# Altium PCB Inverter2beta.PcbDoc (part 4 of 5)
Units mm, origin at the board's own origin, x right, y up, seen from the top; angles counter-clockwise.
Board outline 174.4 x 124.43 mm, 4 copper layers (Top Layer, TOP_RTN, BOTT_RTN, Bottom Layer), stack 1.506 mm thick; 535 components, 311 nets, 1510 pads, 425 vias.
Unrouted connection lines stored in the file: 248.
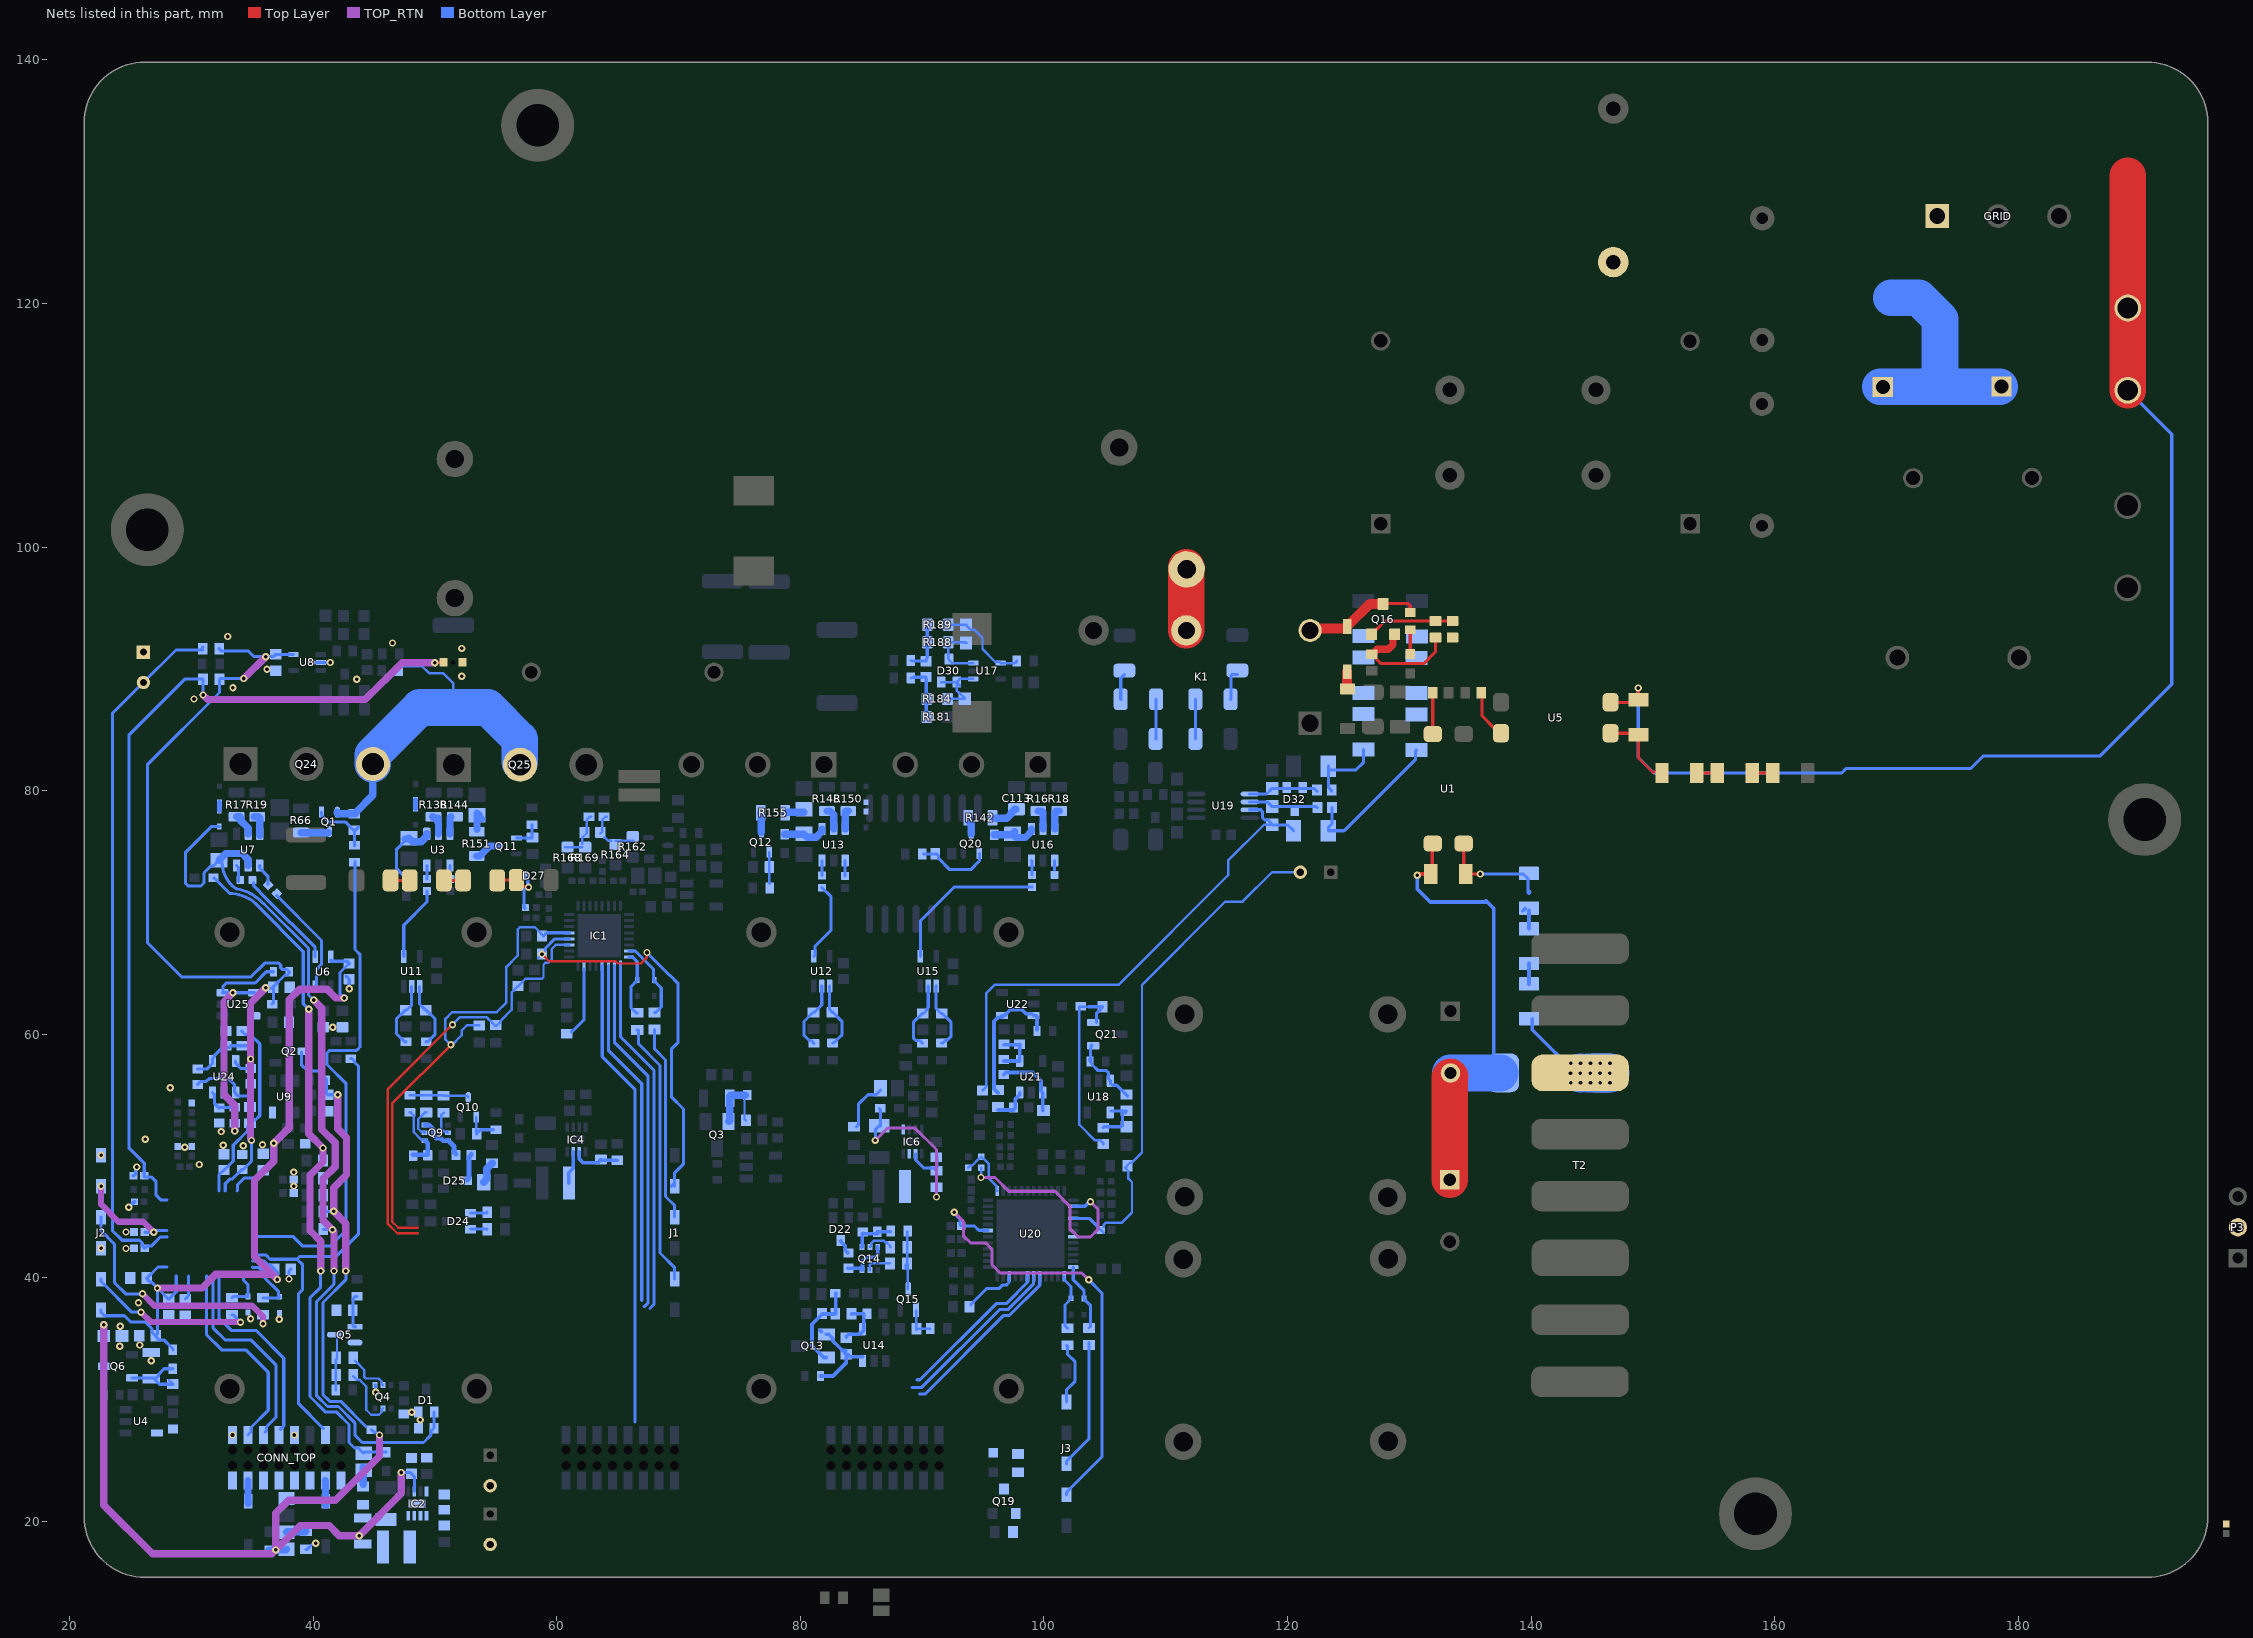
[diagram p6: the nets of this part, all layers, seen from the top]

## Via types
v1: diameter 0.6, hole 0.3, Top Layer to Bottom Layer, tented both sides, 425 vias

## Nets (pads, with @x,y where several pads share a name; then routed paths per layer and width w, separated by ;. In a path a pad name is that pad's centre, name@x,y a point inside that pad or via, vN(x,y) a via of type N, cw(c..) or ccw(c..) an arc to the next point about the centre after c; other vN are vias at no path point) (continued)
NetC74_2: C74.2 R128.2 U11.2 | length 5.5
  Bottom Layer w0.254: R128.2@47.6,59.375 47.5,59.375 46.82,60.055 46.82,61.245 47.55,61.975 C74.2@47.6,61.975 47.65,61.975 48.075,62.4 U11.2@48.075,63.925
NetC75_2: C75.2 FB5.1 U3.4 | length 5.7
  Bottom Layer w0.254: FB5.1@47.35,73.1 46.845,73.605 46.845,75.195 47.531,75.881 C75.2@47.531,76.025
  Bottom Layer w0.6: C75.2@47.531,76.025 C75.2@47.85,76.025 ; C75.2@47.85,76.1 48.15,75.8 48.875,75.8 49.325,76.25 U3.4@49.325,76.45
NetC76_2: C76.2 R123.2 U11.1 | length 5.6
  Bottom Layer w0.254: U11.1@48.725,63.925 48.725,62.475 C76.2@49.113,62.088 ; C76.2@49,62.2 C76.2@49.225,61.975 49.275,61.975 50.005,61.245 50.005,60.005 49.375,59.375 R123.2@49.275,59.375
NetC81_1: C81.1 R151.2 | length 2
  Bottom Layer w0.6: R151.2@53.45,76.8 53.45,78.15 53.625,77.975 53.625,77.9 C81.1@53.85,77.675
NetC82_2: C82.2 R146.2 U12.2 | length 5.8
  Bottom Layer w0.254: R146.2@81.1,59.25 80.877,59.473 80.721,59.473 80.295,59.899 80.295,61.045 81.025,61.775 81.125,61.775 81.75,62.4 U12.2@81.75,63.95
NetC86_2: C86.2 R145.2 U12.1 | length 5.5
  Bottom Layer w0.254: U12.1@82.4,63.95 82.4,62.025 C86.2@82.625,61.8 82.675,61.8 83.405,61.07 83.405,59.924 83.201,59.72 83.195,59.72 82.75,59.275 R145.2@82.65,59.275
NetC87_2: C87.2 FB4.1 Q9.4 R124.2 | length 5.5
  Bottom Layer w0.2: R124.2@47.925,53.575 47.994,53.575 48.244,53.325 48.244,51.963 48.857,51.35 49.05,51.35 Q9.4@49.15,51.25
  Bottom Layer w0.4: FB4.1@48.2,50.1 49.4,50.1 49.4,51.05 49.2,51.25 Q9.4@49.15,51.25
NetC88_1: C88.1 D25.3 | length 2.1
  Bottom Layer w0.4: D25.3@52.575,48.025 52.65,48.025 D25.3@52.8,48.175 ; 52.8,48.375 52.8,49.925 52.975,50.1 C88.1@52.975,50.15
NetC88_2: C88.2 Q9.3 Q9.6 | length 4.1
  Bottom Layer w0.4: Q9.6@49.15,52.55 49.484,52.55 49.872,52.162 49.872,51.709 50.106,51.475 50.434,51.475 50.659,51.25 51.1,51.25 51.55,50.8 51.55,50.325 C88.2@51.725,50.15
NetC91_2: C91.2 FB6.2 Q3.2 R99.2 | length 5.5
  Bottom Layer w0.2: FB6.2@75.409,54.975 75.409,53.041 R99.2@75.525,52.925
  Bottom Layer w0.6: Q3.2@74.1,52.825 ccw(c74.1,52.925) 74.2,52.925 C91.2@74.2,54.425 ; C91.2@74.2,54.5 74.2,54.9 74.275,54.975 FB6.2@75.475,54.975
NetC92_2: C92.2 FB7.1 U13.4 | length 3.6
  Bottom Layer w0.6: FB7.1@78.7,76.425 80.3,76.425 80.55,76.175 81.3,76.175 81.775,76.65 U13.4@81.775,76.85
NetC96_1: C96.1 R130.2
NetC98_1: C98.1 R155.2 | length 1.6
  Bottom Layer w0.6: R155.2@78.75,78.175 78.788,78.213 80.263,78.213 C98.1@80.3,78.25
NetC101_2: C101.2 FB13.2 Q6.2 R11.2 | length 6
  Bottom Layer w0.2: R11.2@28.175,31.575 R11.2@28.475,31.275
  Bottom Layer w0.254: Q6.2@25.125,31.775 C101.2@26.85,31.775 ; R11.2@28.475,31.25 27.375,31.25 C101.2@26.85,31.775 ; FB13.2@28.475,32.525 27.744,32.525 27.298,32.079 27.298,31.948 27.125,31.775 C101.2@26.85,31.775
NetC102_2: C102.2 FB19.1 IC6.1 R129.2 | length 13.7
  TOP_RTN w0.254: v1(86.15,51.275) 87.175,52.3 89.4,52.3 91.175,50.525 v1(91.175,46.625)
  Bottom Layer w0.2: v1(91.175,46.625) R129.2@91.175,47.425
  Bottom Layer w0.254: v1(86.15,51.275) 86.15,52.15 C102.2@86.475,52.475 ; FB19.1@86.5,53.875 86.575,53.8 C102.2@86.575,52.475
NetC106_2: C106.2 FB10.1 Q14.4 R132.2 | length 3.4
  Bottom Layer w0.3: Q14.4@85.05,42.525 85.087,42.563 85.087,43.613 85.125,43.65 85.162,43.613 FB10.1@86.325,43.613 ; FB10.1@86.325,43.775 R132.2@87.375,43.775
NetC107_1: C107.1 R136.1 R139.2 U14.4 | length 4.1
  Bottom Layer w0.3: C107.1@83.751,35.125 83.976,35.35 84.372,35.35 84.376,35.353 84.774,35.353 84.846,35.425 84.95,35.425 85.212,35.687 85.212,37.05 84.25,37.05 R136.1@84.225,37.025
NetC107_2: C107.2 Q13.1 R133.1 U14.3 | length 7.3
  Bottom Layer w0.3: Q13.1@81.575,35.7 81.7,35.575 Q13.1@81.725,35.575 ; R133.1@81.65,31.925 82.675,31.925 83.75,33 C107.2@83.75,33.725 83.475,34 83.425,34 83.425,34.05 83.153,34.322 83.139,34.322 82.675,34.786 82.675,35 82.325,35.35 Q13.1@82.125,35.35 ; C107.2@83.5,34.025 C107.2@83.711,34.025 ; C107.2@83.885,33.69 C107.2@84.075,33.5 ; C107.2@84.2,33.5 U14.3@85.1,33.5
NetC108_1: C108.1 D22.3 | length 1.3
  Bottom Layer w0.3: D22.3@83.325,43.05 83.325,42.95 83.675,42.6 83.675,42.25 C108.1@83.9,42.025
NetC108_2: C108.2 Q14.3 Q14.6 | length 4.1
  Bottom Layer w0.3: C108.2@83.9,40.775 84.9,40.775 84.95,40.725 85,40.725 85.05,40.675 Q14.3@85.05,40.625 85.1,40.675 85.1,40.725 85.1,41.374 85.401,41.675 86.1,41.675 86.35,41.925 Q14.6@86.35,42.525
NetC110_2: C110.2 FB12.2 Q13.2 R136.2 | length 7.3
  Bottom Layer w0.3: Q13.2@82.125,33.45 81.925,33.45 80.953,34.422 80.953,36.178 81.8,37.025 R136.2@82.85,37.025 82.887,37.063 82.887,38.687 FB12.2@82.925,38.725
NetC112_2: C112.2 FB14.1 U16.4 | length 3.8
  Bottom Layer w0.6: FB14.1@95.925,76.375 C112.2@97.425,76.375 ; C112.2@97.599,76.624 C112.2@97.425,76.45 97.725,76.15 98.475,76.15 98.975,76.65 U16.4@98.975,76.85
NetC113_2: C113.2 R142.2 | length 2.2
  Bottom Layer w0.6: R142.2@95.875,77.725 96.949,77.725 97.3,78.076 97.3,78.175 97.6,78.475 C113.2@97.7,78.475
NetC116_1: C116.1 R167.2 R168.1 R169.1 | length 4
  Bottom Layer w0.2: R168.1@60.675,75.35 R169.1@62.075,75.35 ; R169.1@62.088,75.638 62.088,76.138 62.45,76.5 62.45,77.6 62.725,77.875 R167.2@62.825,77.875
NetC116_2: C116.2 R162.1 R163.2 R164.1 | length 3.8
  Bottom Layer w0.2: C116.2@63.575,76.475 63.725,76.625 63.725,77.6 63.975,77.85 R163.2@64.1,77.85 ; C116.2@63.875,76.15 63.9,76.125 63.966,76.125 64.197,75.895 R164.1@64.48,75.895 ; R164.1@64.838,75.886 R162.1@66.264,75.886
NetC121_2: C121.2 R175.2 U15.2 | length 5.8
  Bottom Layer w0.254: R175.2@90.025,59.25 89.802,59.473 89.479,59.473 89.27,59.681 89.27,60.97 90,61.7 C121.2@90.05,61.7 90.1,61.7 90.398,61.998 C121.2@90.398,62.048 ; C121.2@90.348,62.048 90.5,62.2 U15.2@90.5,63.95
NetC122_2: C122.2 R174.2 U15.1 | length 5.7
  Bottom Layer w0.254: U15.1@91.15,63.95 91.143,63.943 91.143,62.107 91.55,61.7 91.65,61.7 92.38,60.97 92.38,59.824 92.176,59.62 92.079,59.523 92.072,59.523 92.047,59.498 91.923,59.498 91.7,59.275 R174.2@91.6,59.275
NetC123_1: C123.1 D30.1 D30.2 R184.2 U17.1 | length 6.2
  Bottom Layer w0.2: D30.2@91.55,88.9 D30.1@92.85,88.9 ; R184.2@92.075,87.525 93.475,87.525 C123.1@93.5,87.55 93.5,87.575 92.992,88.083 92.967,88.083 92.85,88.2 D30.1@92.85,88.875 ; D30.1@93.1,88.625 D30.1@92.85,88.875 ; U17.1@94.2,89.175 93.1,89.175 92.85,88.925 D30.1@92.85,88.9 ; D30.1@92.85,88.875 D30.1@92.85,88.9
NetC124_1: C124.1 R187.2 R188.1 R189.1 | length 4.3
  Bottom Layer w0.254: R187.2@89.075,90.675 89.298,90.638 90.002,90.638 C124.1@90.325,90.625 90.413,90.923 90.413,93.252 R189.1@90.425,93.625
NetC124_2: C124.2 R181.1 R183.2 R184.1 | length 4.5
  Bottom Layer w0.254: R183.2@89.075,89.25 89.298,89.306 90.002,89.306 C124.2@90.325,89.325 90.33,89.027 90.33,86.423 R181.1@90.375,86.05
NetC125_1: C125.1 D30.3 R188.2 U17.3 | length 5.1
  Bottom Layer w0.2: C125.1@93.6,92.1 C125.1@93.6,92.125 93.55,92.175 R188.2@92.125,92.175 92.125,90.875 D30.3@92.2,90.8 92.2,90.725 92.45,90.475 U17.3@94.2,90.475
NetC125_2: C125.2 R189.2 R216.1 U17.4 | length 7.6
  Bottom Layer w0.2: R189.2@92.125,93.625 C125.2@93.6,93.625 93.6,93.6 94,93.2 94.3,93.2 94.95,92.55 94.95,91.625 96,90.575 96.35,90.575 U17.4@96.45,90.475 97.575,90.475 ccw(c97.575,90.65) R216.1@97.75,90.65
NetC129_1: C129.1 R192.1 R193.2 U18.4 | length 4
  Bottom Layer w0.254: R192.1@104.85,52.325 104.925,52.4 R193.2@106.325,52.4 ; U18.4@105.525,53.7 C129.1@106.45,53.7 ; R193.2@106.45,52.45 C129.1@106.45,53.7 ; C129.1@106.675,53.562 C129.1@106.7,53.537 ; C129.1@106.775,53.7 C129.1@106.45,53.7
NetC129_2: C129.2 Q21.1 R191.1 U18.3 | length 6.5
  Bottom Layer w0.254: R191.1@103.723,57.923 R191.1@103.823,58.023 ; R191.1@103.775,57.884 R191.1@103.775,57.75 R191.1@103.84,57.685 ; Q21.1@103.925,59.1 103.852,59.027 103.852,58.817 103.823,58.788 103.823,58.123 103.84,58.14 103.84,57.923 R191.1@103.84,57.685 ; C129.2@106.874,54.897 106.874,54.901 106.427,55.348 106.416,55.348 105.962,55.802 105.623,55.802 105.45,55.975 U18.3@105.45,56.175 105.307,56.318 105.307,56.818 105.125,57 104.453,57 103.905,57.549 103.905,57.62 R191.1@103.84,57.685
NetC132_2: C132.2 FB11.2 Q21.2 R192.2 | length 15.8
  Bottom Layer w0.2: 103.65,62.25 102.9,62.25 102.9,52.575 104.2,51.275 104.65,51.275 104.85,51.075 R192.2@104.85,50.975
  Bottom Layer w0.254: 103.65,62.25 C132.2@104.8,62.25 104.8,62.2 104.45,61.85 104.3,61.7 Q21.2@104.3,60.95
NetC133_1: C133.1 R1.2 | length 1.6
  Bottom Layer w0.6: C133.1@37.8,19.1 37.85,19.15 39.35,19.15 R1.2@39.4,19.2
NetC138_1: C138.1 R195.2 | length 1.8
  Bottom Layer w0.6: C138.1@54,47.85 54.25,48.1 54.25,48.95 R195.2@54.7,49.4
NetC145_1: C145.1 D32.1 D32.2 R49.2 U19.5 | length 5.8
  Bottom Layer w0.254: U19.5@116.9,79.725 118.275,79.725 118.7,80.15 118.7,80.175 119.95,80.175 121.25,80.175 122.2,80.175 R49.2@122.425,79.95
NetC146_1: C146.1 R80.1 R83.1 R194.2 | length 12.5
  Bottom Layer w0.254: R83.1@123.65,78.6 123.65,77.275 123.35,76.975 R194.2@123.35,76.7 123.85,76.7 124.35,76.7 124.65,76.7 130.518,82.568 ; 130.518,82.543 130.518,82.568 ; R80.1@130.6,83.35 130.518,83.268 130.518,82.568
NetC146_2: C146.2 R40.2 R47.1 R49.1 | length 6.4
  Bottom Layer w0.254: R40.2@123.35,81.7 125.625,81.7 126.25,82.325 ; R40.2@123.35,82 123.35,80.275 123.625,80 R49.1@123.625,79.95 ; 126.25,82.3 R47.1@126.25,83.375
NetC147_1: C147.1 D32.3 R83.2 U19.6 | length 5.7
  Bottom Layer w0.254: U19.6@116.9,79.075 118.327,79.075 118.7,78.702 118.7,78.7 120.6,78.7 122.35,78.7 R83.2@122.45,78.6
NetC147_2: C147.2 R101.1 R194.1 U19.7 | length 42.7
  Bottom Layer w0.2: R101.1@94.95,55.375 95.25,55.675 95.25,63.35 95.942,64.042 106.122,64.042 115.125,73.045 115.125,74.25 118.067,77.192 118.742,77.192 C147.2@118.75,77.2
  Bottom Layer w0.254: U19.7@116.9,78.425 117.796,78.425 117.945,78.276 117.945,77.994 117.955,77.984 117.955,77.747 118.104,77.598 118.377,77.598 118.725,77.25 118.725,77.175 118.75,77.175 120.025,77.175 R194.1@120.5,76.7
NetC152_1: C152.1 R202.2 R203.1 U21.4 | length 4
  Bottom Layer w0.3: C152.1@96.7,57.8 U21.4@98,57.8 98,59.075 98.05,59.125 R203.1@96.7,59.125
NetC152_2: C152.2 R205.2 U21.1 | length 5.9
  Bottom Layer w0.3: C152.2@96.7,56.675 96.875,56.85 99.075,56.85 99.75,56.175 99.75,55.35 U21.1@99.9,55.2 R205.2@99.9,53.725
NetC154_2: C154.2 R206.1 U21.3 | length 2.9
  Bottom Layer w0.3: R206.1@96.225,53.8 96.25,53.775 97.475,53.775 C154.2@97.5,53.75 ; C154.2@97.5,53.8 97.652,53.952 97.652,54.674 97.828,54.85 97.85,54.85 98,55 U21.3@98,55.2
NetC159_1: C159.1 R208.2 | length 1.4
  Bottom Layer w0.6: R208.2@44.075,23.025 44.1,23.05 44.1,24.425 C159.1@44.125,24.45
NetC160_1: C160.1 R209.2 | length 4.2
  Bottom Layer w0.254: R209.2@84.6,52.4 84.757,52.557 84.757,54.232 85.552,55.027 86.202,55.027 C160.1@86.575,55.4
NetC168_1: C168.1 R211.2 R212.1 U24.4 | length 5.1
  Bottom Layer w0.254: C168.1@30.5,57.125 31.25,57.125 31.725,57.6 31.725,58 31.898,58.173 31.898,58.273 32.518,58.893 33.068,58.893 R212.1@33.225,59.05 ; R212.1@33.2,59.05 R211.2@34.475,59.05
NetC168_2: C168.2 R214.2 U24.1 | length 6.5
  Bottom Layer w0.254: C168.2@30.5,55.875 30.748,56.123 31.223,56.123 31.45,56.35 33.05,56.35 33.519,55.881 33.519,55.306 U24.1@33.625,55.2 33.625,55.105 33.798,54.932 34.601,54.932 34.75,54.783 R214.2@34.75,53.8
NetC170_2: C170.2 R215.1 U24.3 | length 2.8
  Bottom Layer w0.254: U24.3@31.725,55.2 31.898,55.027 31.898,54.277 32.225,53.95 C170.2@32.275,53.95 32.3,53.975 33.525,53.975 R215.1@33.55,54
NetCONN_TOP_4: CONN_TOP.4 D5.1 | length 2
  Bottom Layer w0.6: CONN_TOP.4@40.99,23.345 41.007,23.327 41.007,21.342 D5.1@41.025,21.325
NetCONN_TOP_14: CONN_TOP.14 D2.1 | length 1.9
  Bottom Layer w0.6: CONN_TOP.14@34.64,23.345 34.645,23.34 34.645,21.48 D2.1@34.65,21.475
NetD3_2: D3.2 D4.1 F4.2 R218.1 U1.1 | length 37.9
  Top Layer w0.3: v1(130.65,73.05) 130.731,73.05 130.831,73.15 R218.1@131.775,73.15 131.875,73.15 131.875,75.05 U1.1@131.925,75.1
  Top Layer w3: D4.1@133.325,48.04 133.325,56.46 D3.2@133.375,56.51
  Bottom Layer w0.3: v1(130.65,73.05) 130.65,71.925 131.725,70.85 136.4,70.85 ; 136.296,70.954 136.925,70.325 136.925,58.101 137.7,57.326 F4.2@137.7,56.825
  Bottom Layer w3: D3.2@133.375,56.81 F4.2@137.475,56.81
NetD6_1: D6.1 IC1.23 R103.1 | length 6.9
  Bottom Layer w0.254: IC1.23@65.925,66.825 65.927,66.823 66.437,66.823 67.95,65.31 67.95,64.573 67.95,64.46 D6.1@68.023,64.387 ; D6.1@68,64.3 D6.1@68,64.46 ; D6.1@68.023,64.347 68.575,63.795 68.575,62.225 68.125,61.775 R103.1@68.025,61.775
NetD7_1: D7.1 IC1.24 R100.1 | length 5.5
  Bottom Layer w0.254: IC1.24@65.925,66.325 66.221,66.325 66.223,66.323 66.223,66.311 66.6,65.934 D7.1@66.6,64.46 66.6,64.44 66.6,64.42 66.095,63.915 66.095,62.155 66.5,61.75 R100.1@66.6,61.75
NetD8_2: D8.2 D14.2
NetD10_2: D10.2 D17.2
NetD11_1: D11.1 R112.1 U20.36 | length 5.6
  Bottom Layer w0.254: U20.36@102.4,40.875 102.4,39.825 103.3,38.925 D11.1@103.3,38.285 103.3,38.245 103.805,37.74 103.805,35.98 R112.1@103.7,35.875
NetD12_1: D12.1 R111.1 U20.37 | length 4.8
  Bottom Layer w0.254: U20.37@101.65,40.125 101.65,39.85 102.225,39.275 D12.1@102.225,38.31 102.225,38.27 101.72,37.765 101.72,36.055 R111.1@101.925,35.85
NetD13_2: D13.2 D15.2 | length 0.7
  Bottom Layer w0.4: D15.2@32.275,78.36 32.275,78.4 32.3,78.425 D13.2@32.3,79.04
NetD16_2: D16.2 D20.2 | length 0.7
  Bottom Layer w0.4: D20.2@48.4,78.51 D16.2@48.4,79.215
NetD18_1: D18.1 D19.2 | length 1.4
  Top Layer w0.8: D18.1@124.875,88.36 124.888,88.373 124.888,89.763 D19.2@124.9,89.775
NetD19_1: D19.1 K1.4 Q16.3 R4.1 | length 9.7
  Top Layer w0.254: Q16.3@127.85,95.325 127.875,95.35 129.926,95.35 130.075,95.201 R4.1@130.075,94.625
  Top Layer w0.8: K1.4@121.85,93.45 K1.4@122.012,93.613 ; K1.4@122.012,93.313 124.85,93.313 124.9,93.363 D19.1@124.9,93.475 ; D19.1@124.95,93.675 125.1,93.675 126.75,95.325 Q16.3@127.85,95.325
NetD21_1: D21.1 R109.1 U23.36 | length 5
  Bottom Layer w0.254: 35,40.875 35.023,40.852 35.523,40.852 36.025,40.35 36.025,39.975 37.152,38.848 37.152,38.508 D21.1@37.225,38.435 37.225,38.423 37.152,38.35 R109.1@35.875,38.35
NetD23_1: D23.1 R84.1 U23.37 | length 3.2
  Bottom Layer w0.254: R84.1@33.325,38.35 33.435,38.46 D23.1@34.625,38.46 34.625,39.45 34.273,39.802 34.273,40.102 34.25,40.125
NetD24_1: D24.1 R158.2 | length 1.4
  Bottom Layer w0.254: D24.1@52.9,45.3 54.2,45.3 R158.2@54.275,45.375
NetD24_2: D24.2 R159.2 | length 1.4
  Bottom Layer w0.254: D24.2@52.9,44 54.25,44 R159.2@54.275,43.975
NetD27_3: D27.3 R76.1 R79.1 R81.2 | length 6.2
  Top Layer w0.254: R76.1@55.075,72.65 R81.2@56.675,72.65 56.675,72.612 57.159,72.128 57.615,72.128 v1(57.676,72.066)
  Bottom Layer w0.254: D27.3@57.175,73.025 57.275,73.025 57.609,72.691 57.609,72.416 57.675,72.35 57.675,72.256 v1@57.581,72.162 ; R79.1@57.377,70.325 57.343,70.325 57.295,70.373 57.295,71.877 v1@57.581,72.162 ; v1(57.676,72.066) v1@57.581,72.162
NetF2_1: F2.1 F2.2 GRID.1 R219.2 U5.2 | length 99.7
  Top Layer w0.254: U5.2@146.525,87.25 148.127,87.25 148.275,87.398 148.275,87.725 148.802,87.725 148.8,87.727 v1(148.8,88.425)
  Top Layer w3: 188.975,130.475 188.975,119.655 F2.2@189,119.63 F2.1@189,112.87
  Bottom Layer w0.254: v1(148.8,88.425) 148.8,82.724 150.074,81.45 165.5,81.45 165.85,81.8 176.075,81.8 177.1,82.825 186.7,82.825 192.602,88.727 192.602,109.268 F2.1@189,112.87
NetF4_1: F4.1 R2.2 T2.14 | length 13.4
  Bottom Layer w0.3: R2.2@140.1,61.275 140.1,60.367 v1@143.858,56.608 ; v1@143.193,57.657 v1(143.25,57.6) v1(144.05,57.6) ; v1(143.25,56) v1@143.858,56.608 ; v1@144.052,56.802 F4.1@144.678,56.802 ; F4.1@144.678,56.251 144.216,56.251 v1@143.858,56.608 ; F4.1@144.862,55.604 144.862,56 144.862,56.067 144.862,56.802 F4.1@144.862,57.612
  Bottom Layer w3.2: v1(144.038,56.802) v1@144.052,56.802 ; F4.1@144.678,56.802 144.862,56.802 v1(145.663,56.802) 145.8,56.802 v1(146.463,56.802)
  other v1: 144.05,56 144.875,56 145.675,56 146.475,56 143.238,56.802 144.863,56.802 144.875,57.6 145.675,57.6 146.475,57.6
NetGDT1_1: GDT1.1 R37.1 R38.1 | length 20.1
  Bottom Layer w3: R38.1@168.675,113.175 168.875,113.175 173.575,113.175 ; 169.575,120.475 171.818,120.475 173.575,118.718 173.575,113.175 ; R37.1@178.475,113.15 177.15,113.15 177.125,113.175 173.575,113.175
NetIC1_31: IC1.31 R171.1 | length 5.6
  Bottom Layer w0.254: R171.1@61.222,60.172 61.222,60.272 61.248,60.298 61.348,60.298 62.227,61.177 IC1.31@62.227,65.327
NetIC2_6: IC2.6 R21.1 R24.2
NetIC2_7: IC2.7 L1.2
NetIC4_6: IC4.6 R69.1 R70.2 | length 3.9
  Bottom Layer w0.3: IC4.6@61.85,50.35 61.85,49.75 62.15,49.45 63.375,49.45 R70.2@63.625,49.7 63.675,49.65 R69.1@64.95,49.65
NetIC4_7: IC4.7 L4.2 | length 2.7
  Bottom Layer w0.3: L4.2@60.975,47.775 60.975,48.625 61.35,49 IC4.7@61.35,50.35
NetIC6_6: IC6.6 R129.1 R131.2 | length 3.7
  Bottom Layer w0.254: IC6.6@89.45,50.175 89.473,50.152 89.473,49.671 90.146,48.998 91.197,48.998 R131.2@91.197,50.02 ; R129.1@91.072,48.878 R129.1@91.175,48.775
NetIC6_7: IC6.7 L5.2
NetK1_3: K1.3 L3.2 | length 5.2
  Top Layer w3: K1.3@111.69,93.15 L3.2@111.69,98.32
NetLED1_1: LED1.1 R106.2
NetLED2_1: LED2.1 R114.2
NetLED3_1: LED3.1 R116.2
NetQ1_1: Q1.1 R36.2 R67.2 | length 5.1
  Bottom Layer w0.254: Q1.1@40.675,78.226 40.675,77.989 41.227,77.436 42.614,77.436 43.3,76.75 R36.2@43.375,76.75 ; R67.2@43.375,75.475 R67.2@43.4,75.5 ; R67.2@43.425,75.575 43.375,75.625 R36.2@43.375,76.75 ; R36.2@43.723,77.023 43.45,76.75 R36.2@43.375,76.75